# Altium PCB USB_SPI_Flash.PcbDoc
Units mm, origin at the board's own origin, x right, y up, seen from the top; angles counter-clockwise.
Board outline 48.01 x 25 mm, 2 copper layers (Top Layer, Bottom Layer); 28 components, 20 nets, 113 pads, 24 vias.
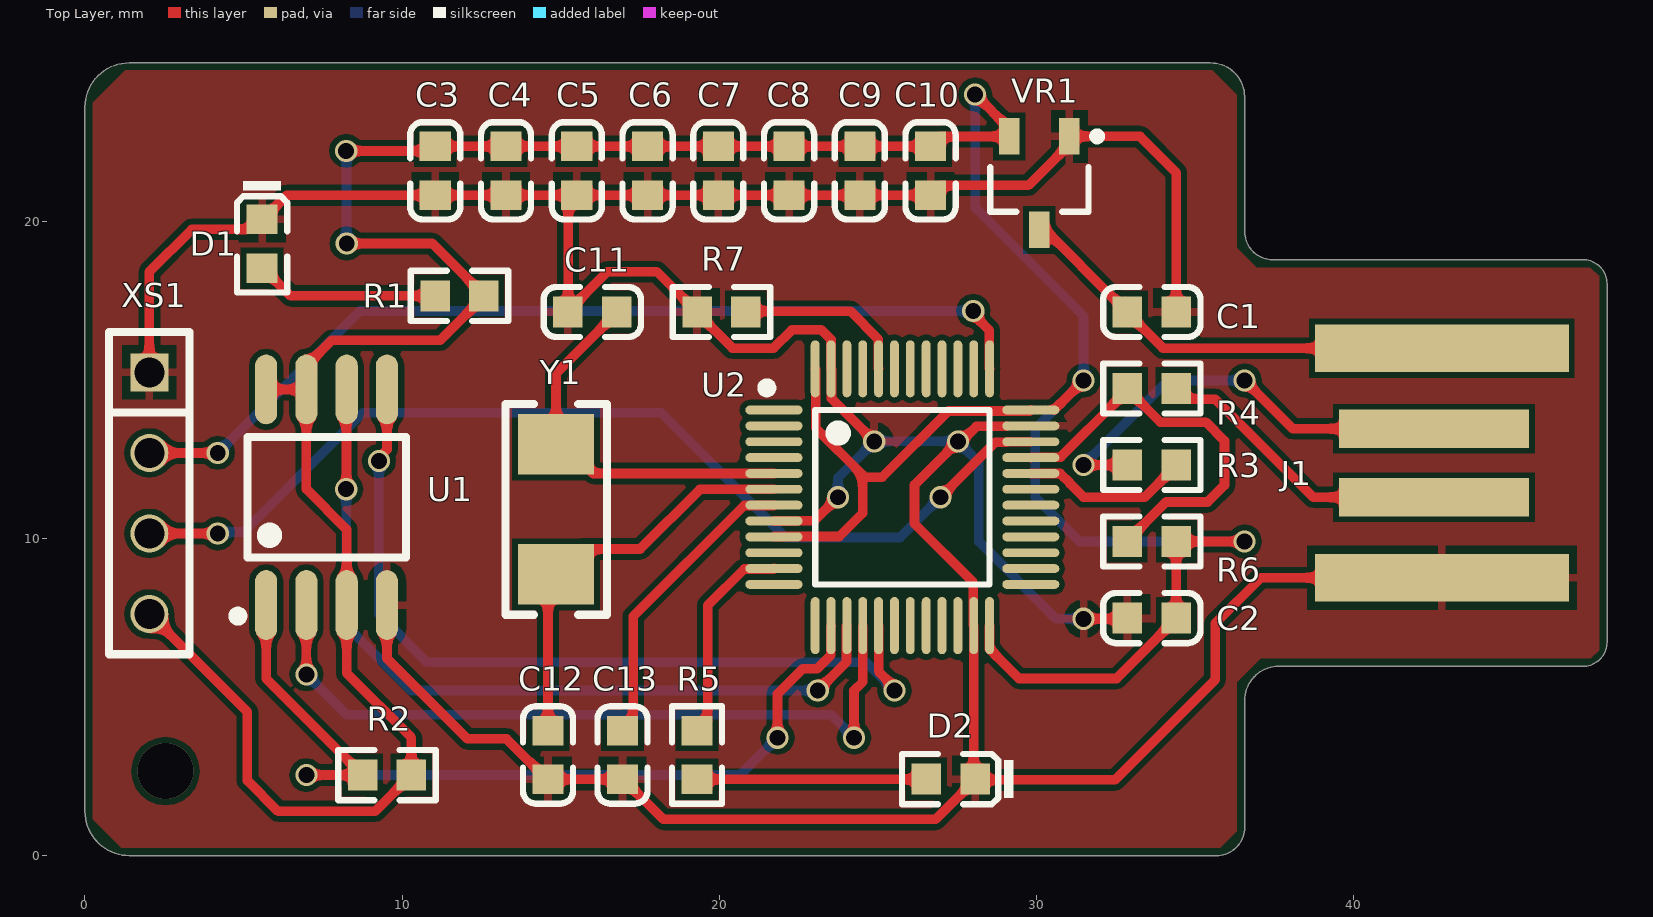
[diagram p0: Top Layer view]
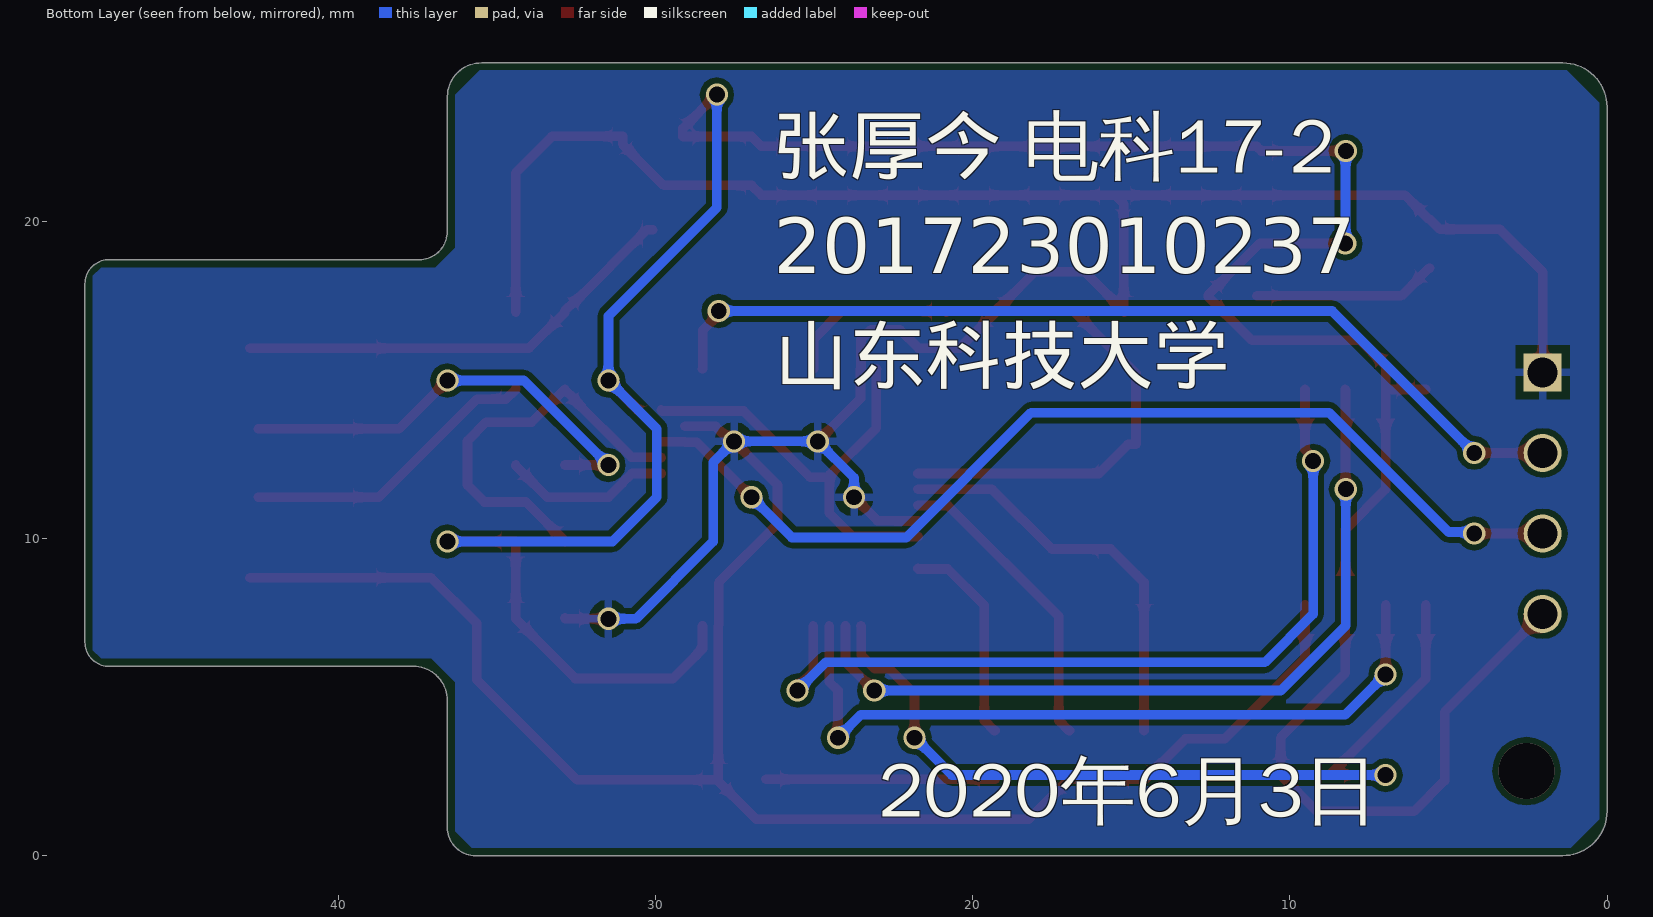
[diagram p1: Bottom Layer view, seen from below]
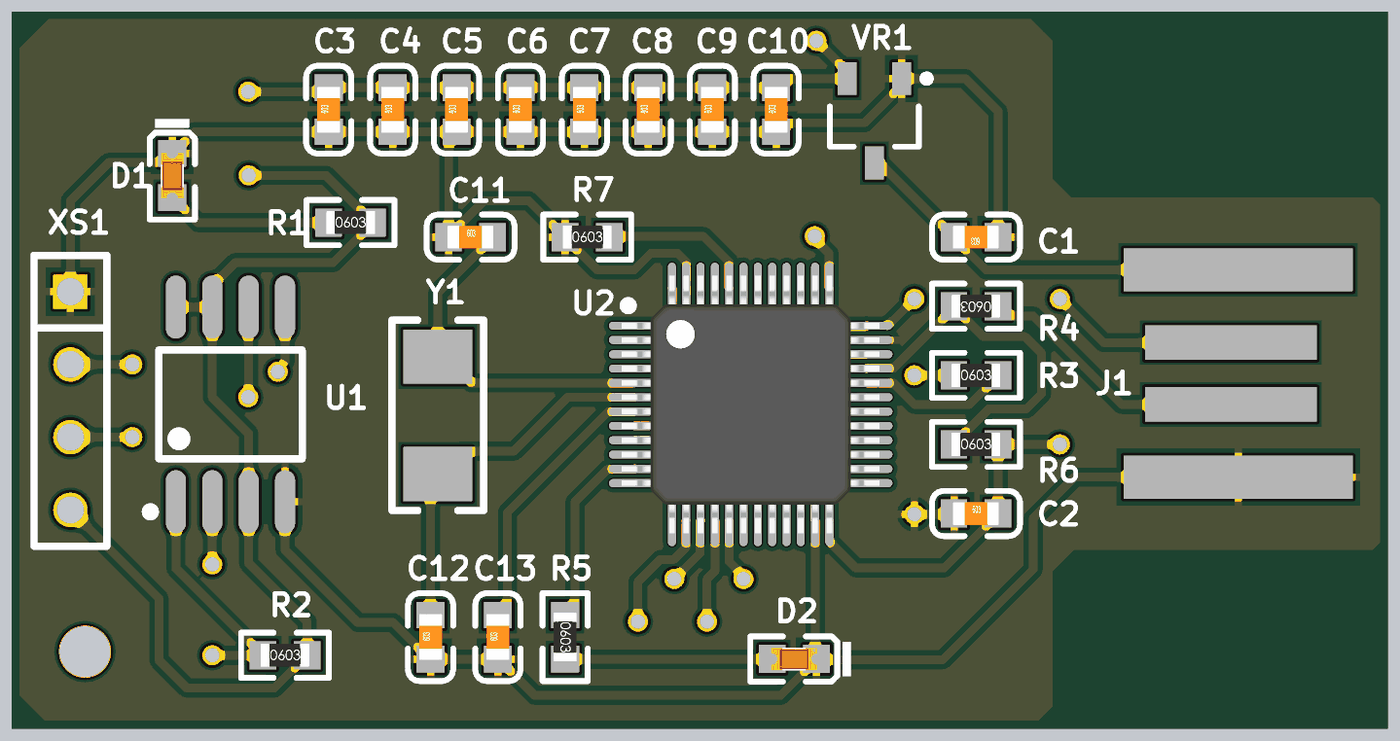
[diagram p2: 3D render of the assembled board from above, using the file's embedded part models]

## Layer stack, top to bottom
Top Solder: solder mask 0.0102, Solder Resist, Dk 3.5
Top Layer: signal copper 0.0356
Dielectric 1: dielectric 0.32, FR-4, Dk 4.8
Bottom Layer: signal copper 0.0356
Bottom Solder: solder mask 0.0102, Solder Resist, Dk 3.5

## Board outline
1.397,0 cw(c1.397,1.397) 0,1.397 0,23.615 cw(c1.391,23.609) 1.397,25 35.495,25 cw(c35.506,23.93) 36.576,23.942 36.576,19.685 ccw(c37.465,19.685) 37.465,18.796 47.244,18.796 cw(c47.244,18.034) 48.006,18.034 48.006,6.731 cw(c47.244,6.731) 47.244,5.969 37.651,5.969 ccw(c37.651,4.894) 36.576,4.894 36.576,0.889 cw(c35.687,0.889) 35.687,0

## Design rules (kind name [scope] priority, off if disabled: settings)
Clearance [All] p1: gap=0.178 ignorepadtopadclearanceinfootprint=FALSE
PolygonConnect [All] p1: connectstyle=Relief reliefconductorwidth=0.254 reliefentries=4 polygonreliefangle="90 Angle" airgapwidth=0.254
RoutingVias [All] p1: holewidth=0.711 width=1.27 viastyle="Through Hole" minholewidth=0.711 minwidth=1.27 maxholewidth=0.711 maxwidth=1.27
SolderMaskExpansion [All] p1: expansion=0.102
Width [All] p1: maxlimit=1.27 minlimit=0.254 preferedwidth=0.305
30 further rules are at their usual default settings.

## Components (designator, comment, footprint, x,y, rotation, side; value= is the part's Value field where it differs from the comment)
C1 "10uF (106) 10% 10V" 0603_C 33.647,17.145 r180 top
C2 "100nF (104) 10% 50V" 0603_C 33.647,7.493 r0 top
C3 "100nF (104) 10% 50V" 0603_C 11.049,21.598 r90 top
C4 "10uF (106) 10% 10V" 0603_C 13.281,21.598 r90 top
C5 "10uF (106) 10% 10V" 0603_C 15.512,21.598 r90 top
C6 "100nF (104) 10% 50V" 0603_C 17.744,21.598 r90 top
C7 "100nF (104) 10% 50V" 0603_C 19.975,21.598 r90 top
C8 "100nF (104) 10% 50V" 0603_C 22.207,21.598 r90 top
C9 "100nF (104) 10% 50V" 0603_C 24.438,21.598 r90 top
C10 "4.7uF (475) 10% 16V" 0603_C 26.67,21.598 r90 top
C11 "18pF (180) 5% 50V" 0603_C 16.002,17.145 r0 top
C12 "18pF (180) 5% 50V" 0603_C 14.605,3.175 r90 top
C13 "100nF (104) 10% 50V" 0603_C 16.954,3.175 r90 top
D1 "红灯 0603" 0603_LED_S1 5.588,19.296 r270 top
D2 "绿灯 0603" 0603_LED_S1 27.305,2.413 r180 top
J1 "USB" GOLDFIGER_FPC_4 47.498,6.35 r90 top
R1 "2KΩ (2001) ±1%" 0603_R 11.811,17.653 r0 top
R2 "10KΩ (1002) ±1%" 0603_R 9.525,2.54 r0 top
R3 "20Ω (20R0) ±1%" 0603_R 33.647,12.319 r0 top
R4 "20Ω (20R0) ±1%" 0603_R 33.647,14.732 r180 top
R5 "2KΩ (2001) ±1%" 0603_R 19.304,3.175 r270 top
R6 "1.5KΩ (1501) ±1%" 0603_R 33.647,9.906 r0 top
R7 "10KΩ (1002) ±1%" 0603_R 20.074,17.145 r0 top
U1 "W25Q128JVSIQTR" SOIC-8_208mil 7.62,11.303 r0 top
U2 "STM32F103C8T6" LQFP-48_7x7x05P 25.781,11.303 r270 top
VR1 "XC6206P332MR" SOT-23-3L 30.099,21.209 r90 top
XS1 "2.54单排单塑排针1*4P" PIN4 2.032,15.24 r270 top
Y1 "8MHz ±20ppm 20pF" SMD-5032_2P 14.859,10.922 r270 top

## Footprints (in the part's own frame and the unit in brackets; to place one, negate y for a bottom-side part, rotate by r counter-clockwise, add the part's x,y. Pads: shape width x height; smd on the part's side, far side on the other; paste and mask are expansions set on the pad)
0603_C [mm]
  rect 0.93x0.98 smd: 1(-0.77,0) 2(0.77,0)
  silkscreen extent -1.53,-0.79 1.54,0.79, body extent -0.8,-0.4 0.8,0.4, height 0.3
0603_LED_S1 [mm]
  rect 0.93x0.98 smd: A(0.77,0) K(-0.77,0)
  silkscreen extent -1.97,-0.79 1.54,0.79, body extent -0.8,-0.4 0.8,0.4, height 0.6
0603_R [mm]
  rect 0.93x0.98 smd: 1(-0.77,0) 2(0.77,0)
  silkscreen extent -1.53,-0.79 1.54,0.79, body extent -0.85,-0.4 0.85,0.4, height 0.56
GOLDFIGER_FPC_4 [mm]
  rect 1.5x8 smd: 1(9.652,4.699) 5(2.413,4.699)
  rect 1.2x6 smd: 2(7.112,4.953) 3(4.953,4.953)
LQFP-48_7x7x05P [mm]
  oval 0.28x1.8 smd mask+0.051: 1(-2.75,-4.05) 2(-2.25,-4.05) 3(-1.75,-4.05) 4(-1.25,-4.05) 5(-0.75,-4.05) 6(-0.25,-4.05) 7(0.25,-4.05) 8(0.75,-4.05) 9(1.25,-4.05) 10(1.75,-4.05) 11(2.25,-4.05) 12(2.75,-4.05) 25(2.75,4.05) 26(2.25,4.05) 27(1.75,4.05) 28(1.25,4.05) 29(0.75,4.05) 30(0.25,4.05) 31(-0.25,4.05) 32(-0.75,4.05) 33(-1.25,4.05) 34(-1.75,4.05) 35(-2.25,4.05) 36(-2.75,4.05)
  oval 1.8x0.28 smd mask+0.051: 13(4.05,-2.75) 14(4.05,-2.25) 15(4.05,-1.75) 16(4.05,-1.25) 17(4.05,-0.75) 18(4.05,-0.25) 19(4.05,0.25) 20(4.05,0.75) 21(4.05,1.25) 22(4.05,1.75) 23(4.05,2.25) 24(4.05,2.75) 37(-4.05,2.75) 38(-4.05,2.25) 39(-4.05,1.75) 40(-4.05,1.25) 41(-4.05,0.75) 42(-4.05,0.25) 43(-4.05,-0.25) 44(-4.05,-0.75) 45(-4.05,-1.25) 46(-4.05,-1.75) 47(-4.05,-2.25) 48(-4.05,-2.75)
  silkscreen extent -3.6,-4.42 2.75,2.75, body extent -4.5,-4.5 4.5,4.5, height 1.6
PIN4 [mm]
  rect 1.2x1.2 hole 0.95: 1(0,0)
  round 1.2 hole 0.95: 2(2.54,0) 3(5.08,0) 4(7.62,0)
  silkscreen extent -1.27,-1.27 8.89,1.27
SMD-5032_2P [mm]
  rect 1.9x2.4 smd: 1(-2.05,0) 2(2.05,0)
  silkscreen extent -3.32,-1.6 3.32,1.6
SOIC-8_208mil [mm]
  oval 0.7x2.2 smd: 1(-1.905,-3.4) 2(-0.635,-3.4) 3(0.635,-3.4) 4(1.905,-3.4) 5(1.905,3.4) 6(0.635,3.4) 7(-0.635,3.4) 8(-1.905,3.4)
  silkscreen extent -2.95,-3.9 2.5,1.9
SOT-23-3L [mm] "http://www.aosmd.com/res/packaging_information/SOT-23-3L.pdf"
  rect 1.15x0.65 smd: 1(1.475,-0.95) 2(1.475,0.95) 3(-1.475,0)
  silkscreen extent -0.9,-1.95 1.6,1.55, body extent -0.9,-1.55 0.9,1.55, height 1.25

## Part data
C1 C4 C5: library part "0603 10uF (106) 10% 10V", "贴片电容", Package=0603, SuppliersPartNumber=C19702, ComponentLink1Description=¹©Ó, ComponentLink1URL=http://www.szlcsc.com/product/details_20411.html, Supplier=LC
C2 C3 C6 C7 C8 C9 C13: library part "0603 100nF (104) 10% 50V", "贴片电容", Package=0603, SuppliersPartNumber=C14663, ComponentLink1Description=¹©Ó, ComponentLink1URL=http://www.szlcsc.com/product/details_15331.html, Supplier=LC
C10: library part "0603 4.7uF (475) 10% 16V", "贴片电容", Package=0603, SuppliersPartNumber=C19666, ComponentLink1Description=¹©Ó, ComponentLink1URL=http://www.szlcsc.com/product/details_20375.html, Supplier=LC
C11 C12: library part "0603 18pF (180) 5% 50V", "贴片电容", Package=0603, SuppliersPartNumber=C1647, ComponentLink1Description=¹©Ó, ComponentLink1URL=http://www.szlcsc.com/product/details_1999.html, Supplier=LC
D1: library part "0603 红灯", "发光二极管", Package=0603, SuppliersPartNumber=C2286, ComponentLink1Description=¹©Ó, ComponentLink1URL=http://www.szlcsc.com/product/details_2659.html, Supplier=LC
D2: library part "0603 绿灯", "发光二极管", Package=0603, SuppliersPartNumber=C72043, ComponentLink1Description=¹©Ó, ComponentLink1URL=http://www.szlcsc.com/product/details_73152.html, Supplier=LC
R1 R5: library part "0603 2KΩ (2001) 1%", "贴片电阻", Package=0603, SuppliersPartNumber=C22975, ComponentLink1Description=¹©Ó, ComponentLink1URL=http://www.szlcsc.com/product/details_23702.html, Supplier=LC
R2 R7: library part "0603 10KΩ (1002) 1%", "贴片电阻", Package=0603, SuppliersPartNumber=C25804, ComponentLink1Description=¹©Ó, ComponentLink1URL=http://www.szlcsc.com/product/details_26547.html, Supplier=LC
R3 R4: library part "0603 20Ω (20R0) 1%", "贴片电阻", Package=0603, SuppliersPartNumber=C22950, ComponentLink1Description=¹©Ó, ComponentLink1URL=http://www.szlcsc.com/product/details_23677.html, Supplier=LC
R6: library part "0603 1.5KΩ (1501) 1%", "贴片电阻", Package=0603, SuppliersPartNumber=C22843, ComponentLink1Description=¹©Ó, ComponentLink1URL=http://www.szlcsc.com/product/details_23570.html, Supplier=LC
U1: library part W25Q128JVSIQTR_[C97521], "Flash ROM", Package=SOIC-8, SuppliersPartNumber=C97521, ComponentLink1Description=¹©Ó, ComponentLink1URL=https://item.szlcsc.com/98729.html, Supplier=LC
U2: "ARM", Package=LQFP-48_7x7x05P, SuppliersPartNumber=C8734, ComponentLink1Description=¹©Ó, ComponentLink1URL=http://www.szlcsc.com/product/details_9243.html, Supplier=LC
VR1: library part "SOT-23 XC6206P332MR", "低压差线性稳压(LDO)", Package=SOT-23, SuppliersPartNumber=C5446, ComponentLink1Description=¹©Ó, ComponentLink1URL=http://www.szlcsc.com/product/details_5896.html, Supplier=LC
Y1: library part "SMD-5032_2P 8MHz 20ppm 20pF", "贴片晶振", Package=SMD-5032_2P, SuppliersPartNumber=C115962, ComponentLink1Description=¹©Ó, ComponentLink1URL=http://www.szlcsc.com/product/details_117214.html, Supplier=LC

## Via types
v1: diameter 0.7, hole 0.5, Top Layer to Bottom Layer, 23 vias
v2: diameter 1.778, hole 1.778, Top Layer to Bottom Layer, 1 vias

## Nets (pads, with @x,y where several pads share a name; then routed paths per layer and width w, separated by ;. In a path a pad name is that pad's centre, name@x,y a point inside that pad or via, vN(x,y) a via of type N, cw(c..) or ccw(c..) an arc to the next point about the centre after c; other vN are vias at no path point)
3V3: C2.2 C3.2 C4.2 C5.2 C6.2 C7.2 C8.2 C9.2 C10.2 R1.2 R2.2 R6.2 U1.3 U1.7 U1.8 U2.9 U2.24 U2.36 U2.48 VR1.2 XS1.4 | length 115.6
  Top Layer w0.305: XS1.4 5.122,4.53 5.122,2.371 6.096,1.397 9.152,1.397 R2.2 10.295,3.718 8.255,5.758 U1.3 8.255,10.287 6.985,11.557 U1.7 ; U1.8 U1.7 ; v1(8.239,22.225) 10.906,22.225 C3.2 C4.2 C5.2 C6.2 C7.2 C8.2 C9.2 C10.2 26.983,22.681 29.146,22.681 VR1.2 29.149,22.934 28.08,24.003 v1(28.075,24.003) ; v1(8.255,19.304) 10.955,19.304 12.581,17.678 R1.2 12.581,17.628 11.209,16.256 7.788,16.256 6.985,15.453 U1.7 ; U2.9 21.743,10.065 23.79,10.065 24.531,10.806 24.531,12.002 ; U2.48 23.048,15.336 23.048,13.484 24.531,12.002 ; U2.24 28.531,6.518 29.461,5.588 32.537,5.588 34.417,7.468 R6.2 v1(36.576,9.906) ; U2.36 29.801,14.023 27.231,14.023 25.146,11.938 24.595,11.938 24.531,12.002 ; U2.36@30.566,14.053 31.496,14.983 v1(31.496,14.986)
  Bottom Layer w0.305: v1(8.239,22.225) 8.247,22.217 8.247,19.312 v1(8.255,19.304) ; v1(28.075,24.003) 28.075,20.439 31.496,17.018 v1(31.496,14.986) 29.971,13.461 29.971,11.304 31.369,9.906 v1(36.576,9.906)
5V: C1.2 J1.1 VR1.3 | length 14.3
  Top Layer w0.305: VR1.3 30.288,19.734 32.539,17.483 32.564,17.483 32.877,17.17 C1.2 32.877,17.12 33.995,16.002 J1.1
D+: R4.2 R6.1 U2.33 | length 12.9
  Top Layer w0.305: U2.33 29.843,12.565 30.768,12.565 32.564,14.361 32.564,14.394 32.877,14.707 33.914,13.67 35.352,13.67 35.941,13.081 35.941,11.684 35.411,11.154 34.1,11.154 32.877,9.931 R6.1
D-: R3.2 U2.32 | length 5.3
  Top Layer w0.305: U2.32 30.756,12.053 31.061,11.748 31.061,11.738 31.496,11.303 33.426,11.303 34.417,12.294 R3.2
GND: C1.1 C2.1 C3.1 C4.1 C5.1 C6.1 C7.1 C8.1 C9.1 C10.1 C11.1 C12.1 C13.1 D1.K D2.K J1.5 R7.1 U1.4 U2.8 U2.23 U2.35 U2.47 VR1.1 XS1.1 | length 131.5
  Top Layer w0.305: XS1.1 2.032,18.415 3.37,19.753 5.275,19.753 D1.K 5.613,20.066 6.375,20.828 C3.1 C4.1 C5.1 ; U1.4 9.525,6.223 12.065,3.683 13.302,3.683 14.58,2.405 C12.1 C13.1 16.979,2.405 18.241,1.143 26.83,1.143 D2.K@28.075,2.388 ; U2.8 22.466,10.553 22.479,10.565 23.011,10.565 v1(23.749,11.303) ; v1(24.895,13.064) 23.543,14.416 23.543,15.341 U2.47 23.531,16.278 23.226,16.583 22.298,16.583 21.717,16.002 20.422,16.002 19.304,17.12 R7.1 19.304,17.17 18.991,17.483 18.966,17.483 18.034,18.415 16.477,18.415 C11.1@15.24,17.178 ; U2.35@29.083,13.541 28.115,13.541 27.638,13.064 v1(27.531,13.064) 26.162,11.695 26.162,10.467 28.019,8.61 28.019,7.265 U2.23 28.031,2.457 D2.K D2.K@28.075,2.388 ; v1(31.496,7.468) 32.852,7.468 C2.1 ; C1.1 34.417,21.541 33.274,22.684 VR1.1 31.049,22.434 29.756,21.141 26.983,21.141 C10.1 C9.1 C8.1 C7.1 C6.1 C5.1 ; J1.5 37.084,8.763 35.644,7.323 35.644,5.545 32.487,2.388 D2.K@28.075,2.388 ; C11.1@15.24,17.178 15.232,17.17 C11.1 15.24,17.153 C11.1@15.24,17.178 ; C11.1@15.24,17.178 15.24,20.556 C5.1
  Bottom Layer w0.305: v1(23.749,11.303) 23.749,11.918 v1(24.895,13.064) v1(27.531,13.064) 28.194,12.401 28.194,9.906 30.632,7.468 v1(31.496,7.468)
NetC11_2: C11.2 U2.5 Y1.1 | length 12.2
  Top Layer w0.305: C11.2 16.772,17.12 14.859,15.207 Y1.1 15.109,12.972 16.028,12.053 U2.5
NetC12_2: C12.2 U2.6 Y1.2 | length 13
  Top Layer w0.305: C12.2 14.605,8.618 Y1.2 15.657,9.67 17.51,9.67 19.393,11.553 U2.6
NetC13_2: C13.2 U2.7 | length 9.6
  Top Layer w0.305: C13.2 16.979,3.945 17.292,4.258 17.292,7.539 20.794,11.041 21.719,11.041 U2.7
NetD1_A: D1.A R1.1 | length 5.8
  Top Layer w0.305: D1.A 5.613,18.526 6.486,17.653 R1.1
NetD2_A: D2.A R5.2 | length 7.2
  Top Layer w0.305: R5.2 26.527,2.405 D2.A
NetJ1_2: J1.2 R3.1 | length 14.2
  Top Layer w0.305: v1(31.496,12.319) R3.1 ; v1(36.576,14.986) 38.1,13.462 J1.2
  Bottom Layer w0.305: v1(31.496,12.319) 34.163,14.986 v1(36.576,14.986)
NetJ1_3: J1.3 R4.1 | length 9.6
  Top Layer w0.305: R4.1 34.417,14.707 34.73,14.394 35.644,14.394 38.735,11.303 J1.3
NetR5_1: R5.1 U2.11 | length 6.7
  Top Layer w0.305: R5.1 19.329,3.945 19.642,4.258 19.642,7.889 20.794,9.041 21.719,9.041 U2.11
NetR7_2: R7.2 U2.44 | length 5.5
  Top Layer w0.305: R7.2 20.869,17.17 24.139,17.17 25.019,16.29 25.019,15.365 U2.44
SPI_CS: R2.1 U1.1 U2.14 | length 28.2
  Top Layer w0.305: U1.1 5.715,5.58 R2.1 v1(6.985,2.54) ; v1(21.844,3.718) 21.844,5.098 22.634,5.888 23.091,5.888 23.519,6.316 23.519,7.241 U2.14
  Bottom Layer w0.305: v1(6.985,2.54) 20.666,2.54 v1(21.844,3.718)
SPI_MISO: U1.2 U2.16 | length 23.9
  Top Layer w0.305: v1(6.985,5.715) U1.2 ; v1(24.257,3.718) 24.257,5.207 24.531,5.481 U2.16
  Bottom Layer w0.305: v1(6.985,5.715) 8.255,4.445 23.53,4.445 v1(24.257,3.718)
SPI_MOSI: U1.5 U2.17 | length 26.7
  Top Layer w0.305: v1(9.271,12.446) 9.271,12.553 9.525,12.807 U1.5 ; U2.17 25.031,5.814 25.531,5.314 v1(25.531,5.207)
  Bottom Layer w0.305: v1(9.271,12.446) 9.271,7.62 10.795,6.096 24.642,6.096 v1(25.531,5.207)
SPI_SCK: U1.6 U2.15 | length 25.6
  Top Layer w0.305: v1(8.239,11.557) 8.247,11.565 8.247,14.695 U1.6 ; v1(23.114,5.207) 24.019,6.112 24.019,7.241 U2.15
  Bottom Layer w0.305: v1(8.239,11.557) 8.239,7.255 10.287,5.207 v1(23.114,5.207)
SWCLK: U2.37 XS1.2 | length 29.9
  Top Layer w0.305: XS1.2 v1(4.191,12.7) ; v1(28.019,17.178) 28.019,17.071 28.519,16.571 28.519,15.365 U2.37
  Bottom Layer w0.305: v1(4.191,12.7) 8.669,17.178 v1(28.019,17.178)
SWDIO: U2.34 XS1.3 | length 32.3
  Top Layer w0.305: XS1.3 v1(4.191,10.16) ; v1(26.983,11.303) 28.72,13.041 29.083,13.041 29.096,13.053 U2.34
  Bottom Layer w0.305: v1(4.191,10.16) 4.236,10.205 4.998,10.205 8.763,13.97 18.161,13.97 22.098,10.033 25.713,10.033 v1(26.983,11.303)
pads on no net: U2.1 U2.2 U2.3 U2.4 U2.10 U2.12 U2.13 U2.18 U2.19 U2.20 U2.21 U2.22 U2.25 U2.26 U2.27 U2.28 U2.29 U2.30 U2.31 U2.38 U2.39 U2.40 U2.41 U2.42 U2.43 U2.45 U2.46
copper on no net:
  other v2: 2.54,2.667

## Polygon pours and split planes (outlines as drawn)
GND on Bottom Layer "GND_L02_P018" (solid, remove dead copper, pour order 18): 0.254,23.749 1.27,24.765 35.56,24.765 36.322,24.003 36.322,19.177 36.957,18.542 47.498,18.542 47.752,18.288 47.752,6.477 47.498,6.223 37.084,6.223 36.322,5.461 36.322,0.762 35.814,0.254 1.143,0.254 0.254,1.143
GND on Top Layer "GND_L01_P020" (solid, remove dead copper, pour order 20): 0.254,23.749 1.27,24.765 35.56,24.765 36.322,24.003 36.322,19.177 36.957,18.542 47.482,18.542 47.736,18.288 47.752,18.288 47.752,6.477 47.498,6.223 37.084,6.223 36.322,5.461 36.322,0.762 35.814,0.254 1.143,0.254 0.254,1.143

## Silkscreen, mask and mechanical layers (free items; w line width, h text height)
Bottom Overlay:
  text "电科17-2" at 18.415,20.955 h3
  text "张厚今" at 26.289,20.955 h3
  text "201723010237" at 26.289,17.78 h3
  text "山东科技大学" at 26.289,14.351 h3
  text "2020年6月3日" at 22.987,0.635 h3
Mechanical 1:
  the board outline again, w0.254